# KiCad board V1.1.kicad_pcb (continued)
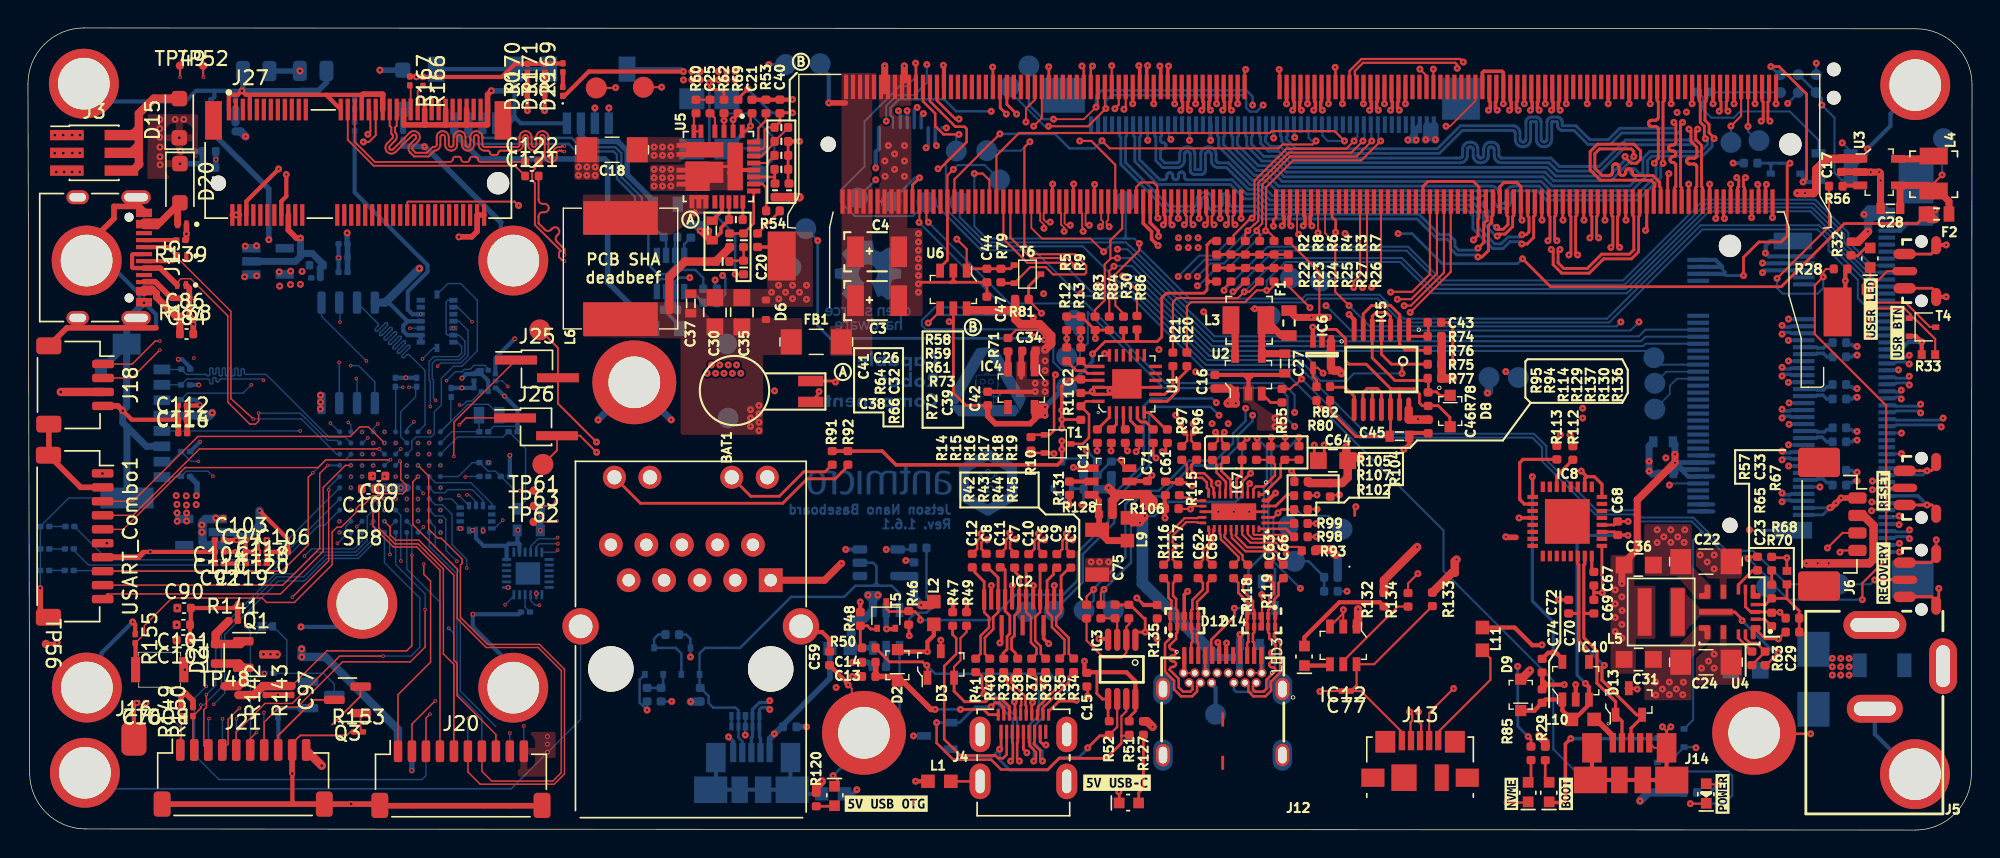
[diagram p0: board, top side]
## Routing (per net, layer and track width the routed paths; a pad name or vN(x,y) marks a point on that pad's centre or on a via; arc(x,y) is an arc through that point) (continued)
  In3_SIGNAL.Cu w0.185: v1(89.68,43.24) 89.84,43.09 89.84,42.54 91.34,41.03 98.31,41.03 104.46,34.89 109.04,34.89 109.07,34.88 109.1,34.87 109.12,34.86 109.14,34.84 109.16,34.81 109.17,34.78 109.17,34.76 109.17,34.58 109.18,34.48 109.21,34.4 109.26,34.32 109.33,34.25 109.4,34.2 109.49,34.17 109.58,34.16 109.75,34.16 109.84,34.17 109.93,34.2 110,34.25 110.07,34.32 110.12,34.4 110.15,34.48 110.16,34.58 110.16,35.48 110.16,35.51 110.17,35.54 110.19,35.56 110.21,35.58 110.23,35.6 110.26,35.61 110.29,35.61 110.4,35.61 110.43,35.61 110.46,35.6 110.48,35.58 110.5,35.56 110.52,35.54 110.53,35.51 110.53,35.48 110.53,34.58 110.54,34.48 110.57,34.4 110.62,34.32 110.69,34.25 110.76,34.2 110.85,34.17 110.94,34.16 111.11,34.16 111.2,34.17 111.29,34.2 111.36,34.25 111.43,34.32 111.48,34.4 111.51,34.48 111.52,34.58 111.52,35.48 111.52,35.51 111.53,35.54 111.55,35.56 111.57,35.58 111.59,35.6 111.62,35.61 111.65,35.61 111.76,35.61 111.79,35.61 111.82,35.6 111.84,35.58 111.86,35.56 111.88,35.54 111.89,35.51 111.89,35.48 111.89,34.58 111.9,34.48 111.93,34.4 111.98,34.32 112.05,34.25 112.12,34.2 112.21,34.17 112.3,34.16 112.47,34.16 112.56,34.17 112.65,34.2 112.72,34.25 112.79,34.32 112.84,34.4 112.87,34.48 112.88,34.58 112.88,35.48 112.88,35.51 112.89,35.54 112.91,35.56 112.93,35.58 112.95,35.6 112.98,35.61 113.01,35.61 113.12,35.61 113.15,35.61 113.18,35.6 113.2,35.58 113.22,35.56 113.24,35.54 113.25,35.51 113.25,35.48 113.25,34.58 113.26,34.48 113.29,34.4 113.34,34.32 113.41,34.25 113.48,34.2 113.57,34.17 113.66,34.16 113.83,34.16 113.92,34.17 114.01,34.2 114.08,34.25 114.15,34.32 114.2,34.4 114.23,34.48 114.24,34.58 114.24,35.48 114.24,35.51 114.25,35.54 114.27,35.56 114.29,35.58 114.31,35.6 114.34,35.61 114.37,35.61 114.48,35.61 114.51,35.61 114.54,35.6 114.56,35.58 114.58,35.56 114.6,35.54 114.61,35.51 114.61,35.48 114.61,34.58 114.62,34.48 114.65,34.4 114.7,34.32 114.77,34.25 114.84,34.2 114.93,34.17 115.02,34.16 115.19,34.16 115.28,34.17 115.37,34.2 115.44,34.25 115.51,34.32 115.56,34.4 115.59,34.48 115.6,34.58 115.6,35.48 115.6,35.51 115.61,35.54 115.63,35.56 115.65,35.58 115.67,35.6 115.7,35.61 115.73,35.61 115.84,35.61 115.87,35.61 115.9,35.6 115.92,35.58 115.94,35.56 115.96,35.54 115.97,35.51 115.97,35.48 115.97,34.58 115.98,34.48 116.01,34.4 116.06,34.32 116.13,34.25 116.2,34.2 116.29,34.17 116.38,34.16 116.55,34.16 116.64,34.17 116.73,34.2 116.8,34.25 116.87,34.32 116.92,34.4 116.95,34.48 116.96,34.58 116.98,35.48 116.98,35.51 116.99,35.54 117,35.56 117.02,35.58 117.05,35.6 117.08,35.61 117.11,35.61 117.22,35.61 117.25,35.61 117.27,35.6 117.3,35.58 117.32,35.56 117.33,35.54 117.34,35.51 117.35,35.48 117.35,35.3 117.36,35.21 117.39,35.12 117.44,35.04 117.5,34.98 117.58,34.93 117.67,34.9 117.76,34.89 119.51,34.89 123.25,31.14 126.64,31.14 127.8,32.3 129.38,32.3 129.42,32.29 129.46,32.28 129.49,32.26 129.52,32.23 129.55,32.19 129.56,32.16 129.56,32.11 129.56,32.07 129.57,32.03 129.58,31.99 129.6,31.95 129.63,31.92 129.67,31.9 129.71,31.89 129.75,31.88 129.79,31.89 129.83,31.9 129.86,31.92 129.89,31.95 129.92,31.99 129.93,32.03 129.93,32.07 129.93,32.11 129.94,32.16 129.95,32.19 129.97,32.23 130,32.26 130.04,32.28 130.08,32.29 130.12,32.3 131.01,32.3 131.36,31.95 131.36,31.61 131.2,31.44 130.95,31.44 v1(130.79,31.6)
  Bottom w0.25: v1(130.79,31.6) 130.55,31.6 130.43,31.72 130.01,31.72
PCIE0_TX2_N: length 65.5
  Top w0.18: M1.148 86.25,44.02 86.15,43.92 86.15,43.49 v1(86.31,43.33)
  In3_SIGNAL.Cu w0.185: v1(130.79,27.91) 130.95,28.07 131.33,28.07 131.67,28.41 131.67,29.01 131.1,29.59 127.53,29.59 126.42,28.47 122.56,28.47 121.25,29.79 121.25,31.65 119.26,33.63 118.93,33.63 118.89,33.63 118.85,33.65 118.81,33.67 118.78,33.7 118.76,33.73 118.75,33.77 118.74,33.81 118.74,34.08 118.73,34.19 118.7,34.28 118.64,34.37 118.57,34.45 118.48,34.5 118.38,34.54 118.28,34.55 118.22,34.55 118.12,34.54 118.02,34.5 117.93,34.45 117.86,34.37 117.8,34.28 117.77,34.19 117.75,34.08 117.75,32.94 117.75,32.9 117.74,32.86 117.71,32.83 117.68,32.8 117.65,32.78 117.61,32.76 117.57,32.76 117.53,32.76 117.49,32.78 117.45,32.8 117.42,32.83 117.4,32.86 117.39,32.9 117.38,32.94 117.38,33.16 117.37,33.27 117.34,33.36 117.28,33.45 117.21,33.53 117.12,33.58 117.02,33.62 116.92,33.63 116.86,33.63 116.76,33.62 116.66,33.58 116.57,33.53 116.5,33.45 116.44,33.36 116.41,33.27 116.39,33.16 116.39,32.94 116.39,32.9 116.38,32.86 116.35,32.83 116.32,32.8 116.29,32.78 116.25,32.76 116.21,32.76 116.17,32.76 116.13,32.78 116.09,32.8 116.06,32.83 116.04,32.86 116.03,32.9 116.02,32.94 116.02,33.16 116.01,33.27 115.98,33.36 115.92,33.45 115.85,33.53 115.76,33.58 115.66,33.62 115.56,33.63 115.56,33.63 115.46,33.62 115.36,33.58 115.27,33.53 115.2,33.45 115.14,33.36 115.11,33.27 115.09,33.16 115.09,32.94 115.09,32.9 115.08,32.86 115.05,32.83 115.02,32.8 114.99,32.78 114.95,32.76 114.91,32.76 114.87,32.76 114.83,32.78 114.79,32.8 114.76,32.83 114.74,32.86 114.73,32.9 114.72,32.94 114.72,33.16 114.71,33.27 114.68,33.36 114.62,33.45 114.55,33.53 114.46,33.58 114.36,33.62 114.26,33.63 114.26,33.63 114.16,33.62 114.06,33.58 113.97,33.53 113.9,33.45 113.84,33.36 113.81,33.27 113.79,33.16 113.79,32.94 113.79,32.9 113.78,32.86 113.75,32.83 113.72,32.8 113.69,32.78 113.65,32.76 113.61,32.76 113.57,32.76 113.53,32.78 113.49,32.8 113.46,32.83 113.44,32.86 113.43,32.9 113.42,32.94 113.42,33.16 113.41,33.27 113.38,33.36 113.32,33.45 113.25,33.53 113.16,33.58 113.06,33.62 112.96,33.63 112.96,33.63 112.86,33.62 112.76,33.58 112.67,33.53 112.6,33.45 112.54,33.36 112.51,33.27 112.49,33.16 112.49,32.94 112.49,32.9 112.48,32.86 112.45,32.83 112.42,32.8 112.39,32.78 112.35,32.76 112.31,32.76 112.27,32.76 112.23,32.78 112.19,32.8 112.16,32.83 112.14,32.86 112.13,32.9 112.12,32.94 112.12,33.16 112.11,33.27 112.08,33.36 112.02,33.45 111.95,33.53 111.86,33.58 111.76,33.62 111.66,33.63 104.88,33.63 97.99,40.52 97.93,40.52 97.9,40.55 88.48,40.55 86.15,42.88 86.15,43.17 v1(86.31,43.33)
  Bottom w0.25: 130.01,27.79 130.43,27.79 130.55,27.91 v1(130.79,27.91)
PCIE0_TX2_P: length 65.2
  Top w0.18: v1(85.68,43.33) 85.84,43.49 85.84,43.92 85.75,44.02 85.75,44.98
  In3_SIGNAL.Cu w0.185: 115.57,33.31 115.61,33.3 115.64,33.28 115.67,33.25 115.7,33.21 115.71,33.17 115.71,33.13 115.71,32.91 115.73,32.81 115.76,32.71 115.82,32.62 115.89,32.55 115.98,32.49 116.08,32.46 116.18,32.45 116.24,32.45 116.34,32.46 116.44,32.49 116.53,32.55 116.6,32.62 116.66,32.71 116.69,32.81 116.7,32.91 116.7,33.13 116.71,33.17 116.72,33.21 116.74,33.25 116.77,33.28 116.81,33.3 116.85,33.31 116.89,33.32 116.93,33.31 116.97,33.3 117,33.28 117.03,33.25 117.06,33.21 117.07,33.17 117.07,33.13 117.07,32.91 117.09,32.81 117.12,32.71 117.18,32.62 117.25,32.55 117.34,32.49 117.44,32.46 117.54,32.45 117.6,32.45 117.7,32.46 117.8,32.49 117.89,32.55 117.96,32.62 118.02,32.71 118.05,32.81 118.06,32.91 118.06,34.05 118.07,34.09 118.08,34.13 118.1,34.17 118.13,34.2 118.17,34.22 118.21,34.23 118.25,34.24 118.29,34.23 118.33,34.22 118.36,34.2 118.39,34.17 118.42,34.13 118.43,34.09 118.43,34.05 118.43,33.78 118.45,33.68 118.48,33.58 118.54,33.49 118.61,33.42 118.7,33.36 118.8,33.33 118.9,33.32 119.14,33.32 120.94,31.52 120.94,29.66 122.43,28.16 126.61,28.16 127.72,29.28 128.79,29.28 128.82,29.27 128.85,29.26 128.87,29.25 128.89,29.23 128.91,29.21 128.91,29.18 128.92,29.13 128.93,29.1 128.94,29.08 128.96,29.06 128.99,29.04 129.01,29.03 129.04,29.03 129.16,29.03 129.19,29.03 129.22,29.04 129.24,29.06 129.26,29.08 129.28,29.1 129.28,29.13 129.29,29.18 129.3,29.21 129.31,29.23 129.33,29.25 129.36,29.26 129.38,29.27 129.41,29.28 130.97,29.28 131.36,28.88 131.36,28.54 131.2,28.38 130.95,28.38 v1(130.79,28.53) ; v1(85.68,43.33) 85.84,43.17 85.84,42.75 88.38,40.21 97.87,40.21 104.76,33.32 111.63,33.32 111.67,33.31 111.71,33.3 111.74,33.28 111.77,33.25 111.8,33.21 111.81,33.17 111.81,33.13 111.81,32.91 111.83,32.81 111.86,32.71 111.92,32.62 111.99,32.55 112.08,32.49 112.18,32.46 112.28,32.45 112.34,32.45 112.44,32.46 112.54,32.49 112.63,32.55 112.7,32.62 112.76,32.71 112.79,32.81 112.8,32.91 112.8,33.13 112.81,33.17 112.82,33.21 112.84,33.25 112.87,33.28 112.91,33.3 112.95,33.31 ; 115.55,33.31 115.51,33.3 115.47,33.28 115.44,33.25 115.42,33.21 115.41,33.17 115.4,33.13 115.4,32.91 115.39,32.81 115.36,32.71 115.3,32.62 115.23,32.55 115.14,32.49 115.04,32.46 114.94,32.45 114.88,32.45 114.78,32.46 114.68,32.49 114.59,32.55 114.52,32.62 114.46,32.71 114.43,32.81 114.41,32.91 114.41,33.13 114.41,33.17 114.4,33.21 114.37,33.25 114.34,33.28 114.31,33.3 114.27,33.31 ; 112.97,33.31 113.01,33.3 113.04,33.28 113.07,33.25 113.1,33.21 113.11,33.17 113.11,33.13 113.11,32.91 113.13,32.81 113.16,32.71 113.22,32.62 113.29,32.55 113.38,32.49 113.48,32.46 113.58,32.45 113.64,32.45 113.74,32.46 113.84,32.49 113.93,32.55 114,32.62 114.06,32.71 114.09,32.81 114.1,32.91 114.1,33.13 114.11,33.17 114.12,33.21 114.14,33.25 114.17,33.28 114.21,33.3 114.25,33.31
  Bottom w0.25: v1(130.79,28.53) 130.55,28.53 130.43,28.65 130.01,28.65
PCIE0_TX3_N: length 66
  Top w0.18: 84.75,44.98 84.75,44.02 84.65,43.92 84.65,43.49 v1(84.81,43.33)
  In3_SIGNAL.Cu w0.18: 107.96,32.42 107.96,31.47 107.96,31.46 107.96,31.45
  In3_SIGNAL.Cu w0.185: 107.96,31.45 107.95,31.42 107.93,31.4 107.91,31.37 107.88,31.36 107.85,31.35 107.82,31.34 107.73,31.34 107.7,31.35 107.67,31.36 107.64,31.37 107.62,31.4 107.61,31.42 107.59,31.45 107.59,31.49 107.59,32.42 107.58,32.51 107.55,32.6 107.5,32.69 107.43,32.75 107.35,32.8 107.26,32.84 107.16,32.85 107.03,32.85 106.93,32.84 106.84,32.8 106.76,32.75 106.69,32.69 106.64,32.6 106.61,32.51 106.6,32.42 106.6,31.49 106.6,31.45 106.59,31.42 106.57,31.4 106.55,31.37 106.52,31.36 106.49,31.35 106.46,31.34 106.37,31.34 106.34,31.35 106.31,31.36 106.28,31.37 106.26,31.4 106.25,31.42 106.23,31.45 106.23,31.49 106.23,31.67 106.22,31.76 106.19,31.85 106.14,31.93 106.07,32 105.99,32.05 105.9,32.08 105.8,32.09 105.04,32.09 97.51,39.63 96.39,39.63 96.39,39.63 95.74,39.63 95.74,39.63 87.95,39.63 84.65,42.93 84.65,43.17 v1(84.81,43.33) ; 107.96,32.42 107.97,32.51 108,32.6 108.06,32.69 108.12,32.75 108.2,32.8 108.29,32.84 108.39,32.85 108.52,32.85 108.62,32.84 108.71,32.8 108.79,32.75 108.86,32.69 108.91,32.6 108.94,32.51 108.95,32.42 108.95,32.24 108.96,32.21 108.97,32.18 108.98,32.15 109.01,32.13 109.03,32.11 109.06,32.1 109.1,32.09 118.88,32.09 120.21,30.76 120.21,28.6 123.56,25.25 126.17,25.25 127.62,26.69 131.07,26.69 131.67,26.09 131.67,25.49 131.33,25.15 130.95,25.15 v1(130.79,24.99)
  Bottom w0.25: 130.01,24.87 130.43,24.87 130.55,24.99 v1(130.79,24.99)
PCIE0_TX3_P: length 67
  Top w0.18: v1(84.18,43.33) 84.34,43.49 84.34,43.92 84.25,44.02 M1.156
  In3_SIGNAL.Cu w0.18: 108.28,32.42 108.28,31.46 ; 108.28,31.46 108.27,31.46 ; 108.28,31.46 108.28,32.39 108.27,32.39
  In3_SIGNAL.Cu w0.185: 108.27,31.46 108.26,31.36 108.23,31.27 108.18,31.19 108.11,31.12 108.03,31.07 107.94,31.04 107.84,31.03 107.71,31.03 107.61,31.04 107.52,31.07 107.44,31.12 107.37,31.19 107.32,31.27 107.29,31.36 107.28,31.46 107.28,32.39 107.28,32.42 107.27,32.46 107.25,32.48 107.23,32.51 107.2,32.52 107.17,32.53 107.14,32.54 107.05,32.54 107.02,32.53 106.99,32.52 106.96,32.51 106.94,32.48 106.93,32.46 106.91,32.42 106.91,32.39 106.91,31.46 106.9,31.36 106.87,31.27 106.82,31.19 106.75,31.12 106.67,31.07 106.58,31.04 106.48,31.03 106.35,31.03 106.25,31.04 106.16,31.07 106.08,31.12 106.01,31.19 105.96,31.27 105.93,31.36 105.92,31.46 105.92,31.64 105.92,31.67 105.91,31.7 105.89,31.73 105.87,31.75 105.84,31.77 105.81,31.78 105.78,31.78 104.92,31.78 97.38,39.32 96.26,39.32 96.26,39.32 95.87,39.32 95.87,39.32 87.82,39.32 84.34,42.8 84.34,43.17 v1(84.18,43.33) ; v1(130.79,25.61) 130.95,25.46 131.2,25.46 131.36,25.62 131.36,25.96 130.97,26.36 129.97,26.36 129.93,26.35 129.89,26.34 129.86,26.32 129.83,26.29 129.81,26.25 129.79,26.21 129.79,26.17 129.79,26.11 129.78,26.07 129.77,26.03 129.75,26 129.72,25.97 129.68,25.95 129.65,25.93 129.6,25.93 129.56,25.93 129.52,25.95 129.49,25.97 129.46,26 129.44,26.03 129.42,26.07 129.42,26.11 129.42,26.17 129.41,26.21 129.4,26.25 129.38,26.29 129.35,26.32 129.31,26.34 129.28,26.35 129.23,26.36 127.72,26.36 126.3,24.94 123.43,24.94 119.9,28.47 119.9,30.63 118.75,31.78 109.07,31.78 108.97,31.79 108.88,31.83 108.8,31.88 108.74,31.95 108.68,32.03 108.65,32.12 108.64,32.21 108.64,32.39 108.64,32.42 108.63,32.46 108.61,32.48 108.59,32.51 108.56,32.52 108.53,32.53 108.5,32.54 108.42,32.54 108.38,32.53 108.35,32.52 108.33,32.51 108.3,32.48 108.29,32.46 108.28,32.42 108.27,32.39
  Bottom w0.25: v1(130.79,25.61) 130.55,25.61 130.43,25.73 130.01,25.73
PCIE1_CLK_N: length 87.7
  Top w0.138: J27.49 26.37,50.41 26.25,50.29 26.25,49.95 arc(26.37,49.64) 26.25,49.34 25.87,48.96 arc(25.82,48.84) 25.87,48.72 arc(25.99,48.67) 26.11,48.72 27.29,49.9 arc(27.59,50.03) 27.9,49.9 arc(28.02,49.59) 27.9,49.29 27.52,48.91 arc(27.47,48.79) 27.52,48.68 27.72,48.48 28.53,48.48 28.95,48.89 29.06,48.89 arc(29.18,48.94) 29.23,49.06 29.23,49.59 arc(29.35,49.9) 29.66,50.02 arc(29.96,49.9) 30.09,49.59 30.09,49.06 arc(30.14,48.94) 30.26,48.89 arc(30.38,48.94) 30.43,49.06 30.43,49.59 arc(30.55,49.9) 30.86,50.02 arc(31.16,49.9) 31.29,49.59 31.29,49.06 arc(31.34,48.94) 31.46,48.89 arc(31.58,48.94) 31.63,49.06 31.63,49.59 arc(31.75,49.9) 32.06,50.02 arc(32.36,49.9) 32.49,49.59 32.49,49.06 arc(32.54,48.94) 32.66,48.89 34.98,48.89 arc(35.1,48.94) 35.15,49.06 35.15,49.59 arc(35.27,49.9) 35.58,50.02 arc(35.89,49.9) 36.01,49.59 36.01,49.06 arc(36.06,48.94) 36.18,48.89 arc(36.3,48.94) 36.35,49.06 36.35,49.59 arc(36.47,49.9) 36.78,50.02 arc(37.09,49.9) 37.21,49.59 37.21,48.23 arc(37.26,48.11) 37.38,48.06 arc(37.5,48.11) 37.55,48.23 37.55,48.46 arc(37.67,48.77) 37.98,48.89 38.13,48.89 38.2,48.95 38.35,48.95
  Top w0.25: M1.173 80,54.65 v1(80.06,54.71)
  In3_SIGNAL.Cu w0.138: 62.86,51.49 v1(62.86,51.48) 62.68,51.66 62.68,51.67 62.42,51.93 62.05,51.93 61.87,51.75 57.65,51.75 56.78,50.87 52.22,50.87 51.55,51.55 44.45,51.55 43.5,50.59 arc(43.38,50.54) 43.26,50.59 42.9,50.95 arc(42.6,51.07) 42.29,50.95 arc(42.16,50.64) 42.29,50.34 43.43,49.2 arc(43.48,49.08) 43.43,48.96 arc(43.31,48.91) 43.19,48.96 42.05,50.1 arc(41.75,50.22) 41.44,50.1 arc(41.32,49.79) 41.44,49.49 41.8,49.13 arc(41.85,49.01) 41.8,48.89 41.1,48.89 arc(40.98,48.94) 40.93,49.06 40.93,49.57 arc(40.81,49.87) 40.5,50 arc(40.19,49.87) 40.07,49.57 40.07,48.37 arc(40.03,48.28) 39.94,48.24 39.86,48.24 arc(39.77,48.28) 39.73,48.37 39.73,49.57 arc(39.61,49.87) 39.3,50 arc(38.99,49.87) 38.87,49.57 38.87,49.06 arc(38.82,48.94) 38.7,48.89 38.59,48.89 38.52,48.95 38.37,48.95
  In5_3V3_SYS_SIGNAL.Cu w0.195: v1(62.86,51.48) 62.71,51.64 62.71,52.45 63.84,53.58 79.4,53.58 79.91,54.09 79.91,54.56 v1(80.06,54.71)
  Bottom w0.25: 62.87,50.27 62.87,50.9 62.86,50.91 v1(62.86,51.48)
  vias: v4(38.36,48.96)
PCIE1_CLK_P: length 87.7
  Top w0.138: 38.35,48.57 38.2,48.57 38.13,48.63 37.98,48.63 arc(37.86,48.58) 37.81,48.46 37.81,48.23 arc(37.69,47.92) 37.38,47.8 arc(37.07,47.92) 36.95,48.23 36.95,49.59 arc(36.9,49.71) 36.78,49.76 arc(36.66,49.71) 36.61,49.59 36.61,49.06 arc(36.49,48.75) 36.18,48.63 arc(35.87,48.75) 35.75,49.06 35.75,49.59 arc(35.7,49.71) 35.58,49.76 arc(35.46,49.71) 35.41,49.59 35.41,49.06 arc(35.29,48.75) 34.98,48.63 33.79,48.63 arc(33.68,48.58) 33.63,48.47 arc(33.59,48.37) 33.48,48.32 33.19,48.32 arc(33.08,48.37) 33.03,48.47 arc(32.99,48.58) 32.88,48.63 32.66,48.63 arc(32.35,48.75) 32.23,49.06 32.23,49.59 arc(32.18,49.71) 32.06,49.76 arc(31.94,49.71) 31.89,49.59 31.89,49.06 arc(31.76,48.75) 31.46,48.63 arc(31.15,48.75) 31.03,49.06 31.03,49.59 arc(30.98,49.71) 30.86,49.76 arc(30.74,49.71) 30.69,49.59 30.69,49.06 arc(30.56,48.75) 30.26,48.63 arc(29.95,48.75) 29.83,49.06 29.83,49.59 arc(29.78,49.71) 29.66,49.76 arc(29.54,49.71) 29.49,49.59 29.49,49.06 arc(29.36,48.75) 29.06,48.63 28.64,48.21 27.61,48.21 27.33,48.49 arc(27.21,48.79) 27.33,49.1 27.71,49.48 arc(27.76,49.59) 27.71,49.71 arc(27.59,49.76) 27.47,49.71 26.3,48.54 arc(25.99,48.41) 25.69,48.54 arc(25.56,48.84) 25.69,49.15 26.06,49.52 arc(26.11,49.64) 26.06,49.76 25.98,49.84 25.98,50.29 25.87,50.41 J27.47
  Top w0.25: M1.175 79.5,54.65 v1(79.43,54.71)
  In3_SIGNAL.Cu w0.125: 62.2,51.45 v1(62.24,51.48)
  In3_SIGNAL.Cu w0.138: v1(62.24,51.48) 57.76,51.48 56.88,50.61 52.12,50.61 51.44,51.28 44.56,51.28 43.68,50.4 arc(43.38,50.28) 43.07,50.4 42.72,50.76 arc(42.6,50.81) 42.48,50.76 arc(42.43,50.64) 42.48,50.52 43.62,49.38 arc(43.74,49.08) 43.62,48.77 arc(43.31,48.65) 43.01,48.77 41.87,49.91 arc(41.75,49.96) 41.63,49.91 arc(41.58,49.79) 41.63,49.67 41.99,49.32 arc(42.11,49.01) 41.99,48.71 41.91,48.63 41.1,48.63 arc(40.79,48.75) 40.67,49.06 40.67,49.57 arc(40.62,49.68) 40.5,49.73 arc(40.38,49.68) 40.33,49.57 40.33,48.37 arc(40.22,48.09) 39.94,47.98 39.86,47.98 arc(39.58,48.09) 39.47,48.37 39.47,49.57 arc(39.42,49.68) 39.3,49.73 arc(39.18,49.68) 39.13,49.57 39.13,49.06 arc(39.01,48.75) 38.7,48.63 38.59,48.63 38.52,48.57 38.37,48.57
  In5_3V3_SYS_SIGNAL.Cu w0.195: v1(79.43,54.71) 79.59,54.56 79.59,54.22 79.27,53.9 63.71,53.9 62.39,52.59 62.39,51.64 v1(62.24,51.48)
  Bottom w0.25: v1(62.24,51.48) 62.36,51.36 62.36,51.28 62.37,51.27 62.37,50.27
  vias: v4(38.36,48.56)
PCIE1_CLKREQ: length 24.1
  Top w0.125: R167.2 27.37,53.23 J27.53
  Top w0.152: M1.182 77.75,47.61 76.04,49.32 v1(75.21,49.32)
  In5_3V3_SYS_SIGNAL.Cu w0.25: v1(75.21,49.32) 74.65,49.87 70.45,49.87 69.58,50.74
  In5_3V3_SYS_SIGNAL.Cu w0.254: v1(68.87,51.45) 69.58,50.74
  Bottom w0.18: 61.85,50.27 61.85,51.01 61.67,51.19 61.67,51.69 62.28,52.3 65.51,52.3 66.36,51.45 v1(68.87,51.45)
PCIE1_RST: length 64.1
  Top w0.125: J27.52 27.12,44.92 27.18,44.98
  Top w0.138: v1(35.08,44.7) 34.8,44.98 27.18,44.98
  Top w0.152: M1.183 77.5,54.71 v1(77.5,54.71)
  In2.Cu w0.15: 64.67,55.19 v1(64.27,54.79)
  In2.Cu w0.152: 64.67,55.19 77.07,55.19 77.5,54.76 v1(77.5,54.71)
  In3_SIGNAL.Cu w0.138: v1(35.08,44.7) 38.1,41.68 56.58,41.68 56.95,42.05 56.95,46.59 61.1,50.74 v1(61.37,50.74)
  Bottom w0.152: v1(61.37,50.74) 61.37,51.84 62.13,52.6 63.38,52.6 64.27,53.49 v1(64.27,54.79)
PCIE1_RX0_N: length 87.7
  Top w0.138: v1(23.98,49.25) 24.39,49.25 24.87,49.73 J27.43
  Top w0.25: M1.167 81.5,54.62 v1(81.56,54.68)
  In3_SIGNAL.Cu w0.138: v1(64.96,48.99) 64.69,48.73 64.69,47.57 64.64,47.51 64.64,47.15 64.69,47.1 64.69,46.26 58.78,40.34 45.32,40.34 44.23,39.25 38.12,39.25 35.74,36.87 32.51,36.87 29.79,39.59 29.79,43.58 28.59,44.78 arc(28.46,45.09) 28.59,45.39 28.95,45.76 arc(29,45.88) 28.95,46 arc(28.84,46.05) 28.72,46 27.56,44.84 arc(27.25,44.71) 26.95,44.84 arc(26.82,45.15) 26.95,45.45 28.11,46.61 arc(28.16,46.73) 28.11,46.85 arc(27.99,46.9) 27.87,46.85 27.5,46.48 arc(27.2,46.35) 26.89,46.48 24.12,49.25 v1(23.98,49.25)
  In5_3V3_SYS_SIGNAL.Cu w0.195: v1(81.56,54.68) 81.41,54.53 81.41,53.71 80.21,52.51 65.49,52.51 64.94,51.96 64.94,49.58 64.82,49.47 64.82,49.13 v1(64.96,48.99)
  Bottom w0.25: v1(64.96,48.99) 64.87,49.08 64.87,50.27
PCIE1_RX0_P: length 87.7
  Top w0.138: J27.41 24.48,51.45 24.48,49.98 v1(24.3,49.8)
  Top w0.25: M1.169 81,54.62 v1(80.93,54.68)
  In3_SIGNAL.Cu w0.138: v1(24.3,49.8) 24.3,49.56 24.43,49.44 24.43,49.32 27.08,46.67 arc(27.2,46.62) 27.32,46.67 27.68,47.03 arc(27.99,47.16) 28.29,47.03 arc(28.42,46.73) 28.29,46.42 27.13,45.27 arc(27.08,45.15) 27.13,45.03 arc(27.25,44.98) 27.37,45.03 28.53,46.19 arc(28.84,46.31) 29.14,46.19 arc(29.27,45.88) 29.14,45.58 28.77,45.21 arc(28.72,45.09) 28.77,44.97 28.98,44.76 arc(29.19,44.67) 29.41,44.76 29.61,44.96 arc(29.82,45.05) 30.03,44.96 arc(30.12,44.75) 30.03,44.54 29.83,44.34 arc(29.74,44.13) 29.83,43.91 30.05,43.69 30.05,39.69 32.61,37.13 35.63,37.13 38.01,39.51 44.12,39.51 ; v1(64.22,48.83) 64.44,48.61 64.44,47.67 64.39,47.62 64.39,47.05 64.44,46.99 64.44,46.36 58.68,40.59 45.21,40.59 44.13,39.5
  In5_3V3_SYS_SIGNAL.Cu w0.195: v1(64.22,48.83) 64.49,49.1 64.49,49.59 64.62,49.72 64.62,52.09 65.36,52.83 80.08,52.83 81.09,53.84 81.09,54.53 v1(80.93,54.68)
  Bottom w0.25: v1(64.22,48.83) 64.37,48.98 64.37,50.27
PCIE1_TX0_N: length 72.1
  Top w0.138: C122.2 36.25,47.56 36.25,47.34 36.04,47.13 36.04,46.51 36.25,46.3 36.25,43.32 38.1,41.46 37.97,41.33 37.97,41.01 38.2,40.78 38.31,40.78 v4(38.37,40.72)
  Top w0.25: v1(80.84,42.5) 80.82,42.52 80.82,42.88 80.25,43.46 M1.172
  In3_SIGNAL.Cu w0.138: v1(64.02,51.28) 64.02,50.92 62.84,49.74 60.81,49.74 59.87,48.8 59.87,48.54 57.46,46.13 57.46,43.18 57.58,43.06 57.58,41.94 56.49,40.85 38.86,40.85 38.74,40.72 v4(38.37,40.72)
  In5_3V3_SYS_SIGNAL.Cu w0.195: v1(80.84,42.5) 80.65,42.31 80.43,42.31 80.03,42.71 80.03,45.71 77.61,48.13 66.9,48.13 66.86,48.13 66.82,48.15 66.78,48.17 66.75,48.2 66.72,48.24 66.71,48.28 66.7,48.33 66.7,48.69 66.7,48.74 66.68,48.78 66.66,48.82 66.63,48.85 66.59,48.87 66.55,48.89 66.5,48.89 66.46,48.89 66.42,48.87 66.38,48.85 66.35,48.82 66.32,48.78 66.31,48.74 66.3,48.69 66.3,48.33 66.3,48.28 66.28,48.24 66.26,48.2 66.23,48.17 66.19,48.15 66.15,48.13 66.1,48.13 66.06,48.13 66.02,48.15 65.98,48.17 65.95,48.2 65.92,48.24 65.91,48.28 65.9,48.33 65.9,48.69 65.9,48.74 65.88,48.78 65.86,48.82 65.83,48.85 65.79,48.87 65.75,48.89 65.7,48.89 65.66,48.89 65.62,48.87 65.58,48.85 65.55,48.82 65.52,48.78 65.51,48.74 65.5,48.69 65.5,48.33 65.5,48.28 65.48,48.24 65.46,48.2 65.43,48.17 65.39,48.15 65.35,48.13 65.3,48.13 64.32,48.13 64.26,48.13 63.51,48.88 63.51,50.77 v1(64.02,51.28)
  Bottom w0.25: 63.87,50.27 63.87,51.13 v1(64.02,51.28)
PCIE1_TX0_P: length 71.8
  Top w0.138: v4(38.37,41.17) 38.37,41.57 37.82,42.12 arc(37.73,42.33) 37.82,42.54 37.91,42.63 arc(37.99,42.84) 37.91,43.06 arc(37.69,43.14) 37.48,43.06 37.39,42.97 arc(37.18,42.88) 36.97,42.97 36.51,43.43 36.51,43.92 arc(36.6,44.13) 36.81,44.22 36.94,44.22 arc(37.15,44.31) 37.24,44.52 arc(37.15,44.73) 36.94,44.82 36.81,44.82 arc(36.6,44.91) 36.51,45.12 C121.2
  Top w0.25: v1(80.81,41.83) 80.65,42 80.64,42 80.34,42.29 80.34,42.83 79.75,43.43 M1.174
  In3_SIGNAL.Cu w0.138: v1(63.58,51.72) 63.58,50.83 62.74,49.99 60.71,49.99 59.62,48.9 59.62,48.65 57.2,46.23 57.2,43.08 57.33,42.95 57.33,42.04 56.39,41.1 38.92,41.1 38.85,41.17 v4(38.37,41.17)
  In5_3V3_SYS_SIGNAL.Cu w0.195: v1(63.58,51.72) 63.55,51.69 63.55,51.34 63.19,50.98 63.19,48.74 64.13,47.81 64.45,47.81 64.45,47.81 77.48,47.81 79.71,45.57 79.71,42.57 80.29,41.99 80.65,41.99 v1(80.81,41.83)
  Bottom w0.25: 63.37,50.27 63.37,51.51 v1(63.58,51.72)
Periph_3V3: length 43.3
  Top w0.138: v4(12.55,53.88) 12.53,53.9 TP52.1
  In5_3V3_SYS_SIGNAL.Cu w0.138: v4(12.55,53.88) 12.55,45.73 16.02,42.26 17.21,42.26 v2(17.22,42.25)
  In5_3V3_SYS_SIGNAL.Cu w0.4: 17.97,38.96 v2(18,38.93)
  In5_3V3_SYS_SIGNAL.Cu w0.6: v2(17.97,39.95) 17.97,38.96 ; v2(18,38.93) 17.98,38.93 13.17,34.12 v2(13.17,29.86)
  Bottom w0.4: v2(22.82,42.74) 22.82,41.99 C111.1 22.85,41.16 ; 14.45,48.64 D23.2 ; 22.85,41.16 C95.1 ; 22.85,41.16 C113.1 ; 14.52,48.57 15.09,48.01 15.1,48.01 17.22,45.89 v2(17.22,42.25)
  Bottom w0.6: v2(13.17,29.86) 12.98,29.67 J23.4
  vias: v2(18.78,40) v2(18.77,39.04) v2(19.48,39.06) v2(19.6,39.98) v2(20.91,30.14) v2(20.92,31.13) v2(20.92,30.63)
PEX_L0_CLKREQ_N: length 53.7
  Top w0.15: 77.4,40.89 76.99,40.48 76.99,37.92 76.3,37.23 76.3,36.74 ; 77.4,40.89 77.45,40.94 v1(77.91,40.94) ; 77.4,40.89 77.4,42.21 78.25,43.06 78.25,44.98
  Bottom w0.15: v1(77.91,40.94) 78.82,40.94 84.77,34.99 115.34,34.99 115.66,35.31 J7.52
PEX_L0_RST_N: length 61.2
  Top w0.15: 77.32,36.74 77.32,40.02 v1(77.65,40.35) ; v1(77.72,51.63) 78,51.91 78,53.18
  In2.Cu w0.15: v1(77.72,51.63) 77.77,51.58 77.77,42.39 77.4,42.02 77.4,40.6 v1(77.65,40.35)
  Bottom w0.15: v1(77.65,40.35) 77.68,40.38 78.93,40.38 84.67,34.64 115.5,34.64 115.67,34.81 J7.50
PWR_EN: length 45
  Top w0.15: IC6.4 92.23,33.08 v1(92.61,32.7)
  Top w0.18: v1(66.57,49.79) 65.47,49.79 64.87,50.39 64.87,51.29 64,52.16 M1.237
  Top w0.2: IC6.4 91.89,32.44 92.15,32.18 92.15,31.72
  Bottom w0.15: v1(92.61,32.7) 91.37,33.94 84.47,33.94 79.22,39.19 78.02,39.19 75.43,41.78 68.32,41.78 65.63,44.48 65.63,47.85 TP12.1 66.38,49.6 v1(66.57,49.79)
PWR_GOOD: length 112.5
  Top w0.15: 92.13,30.68 92.13,30.53 v1(92.52,30.14) ; U5.2 v1(50.42,50.84)
  Top w0.2: R69.2 50.77,51.19 v1(50.42,50.84)
  In3_SIGNAL.Cu w0.2: v1(56.47,42.19) 56.47,42.89 50.42,48.94 v1(50.42,50.84)
  In5_3V3_SYS_SIGNAL.Cu w0.125: v1(83.49,32.8) 83.49,32.84 87.07,36.42 87.07,37.69 87.52,38.14 87.52,39.79 87.22,40.09 82.07,40.09 77.97,35.99 72.67,35.99 v1(71.97,35.29)
  Bottom w0.15: v1(83.49,32.8) 83.7,32.59 90.07,32.59 v1(92.52,30.14) 101.21,21.45 101.21,18.55 109.07,10.69 109.07,5.79 111.32,3.54 T3.1
  Bottom w0.18: v1(56.47,42.19) TP35.1
  Bottom w0.2: v1(56.47,42.19) 56.47,36.09 57.37,35.19 71.87,35.19 v1(71.97,35.29)
System_4V5: length 8.3
  Bottom w0.4: v2(10.87,47.7) 12.16,47.7 C82.1 12.46,47.42 C83.1 12.45,48.59 v2(10.91,48.59)
  Bottom w0.6: U10.3 12.69,20.38 12.48,20.59 12.48,21.28 v2(12.44,21.32) 12.48,21.36 12.48,21.79 v2(12.43,21.84) 12.48,21.89 12.48,22.05 12.69,22.26 U10.1
  vias: v2(9.44,50.86) v2(9.43,50.21) v2(9.42,49.59) v2(9.44,48.88) v2(9.44,48.19) v2(9.45,47.62) v2(10.52,50.86) v2(10.82,49.55) v2(11.14,50.86) v2(13.43,22.33) v2(13.96,22.32) v2(15.49,39.6) v2(15.54,41.79) v2(16.34,41.82) v2(16.35,39.67)
